# KiCad board schema_keyboard_game.kicad_pcb (continued)
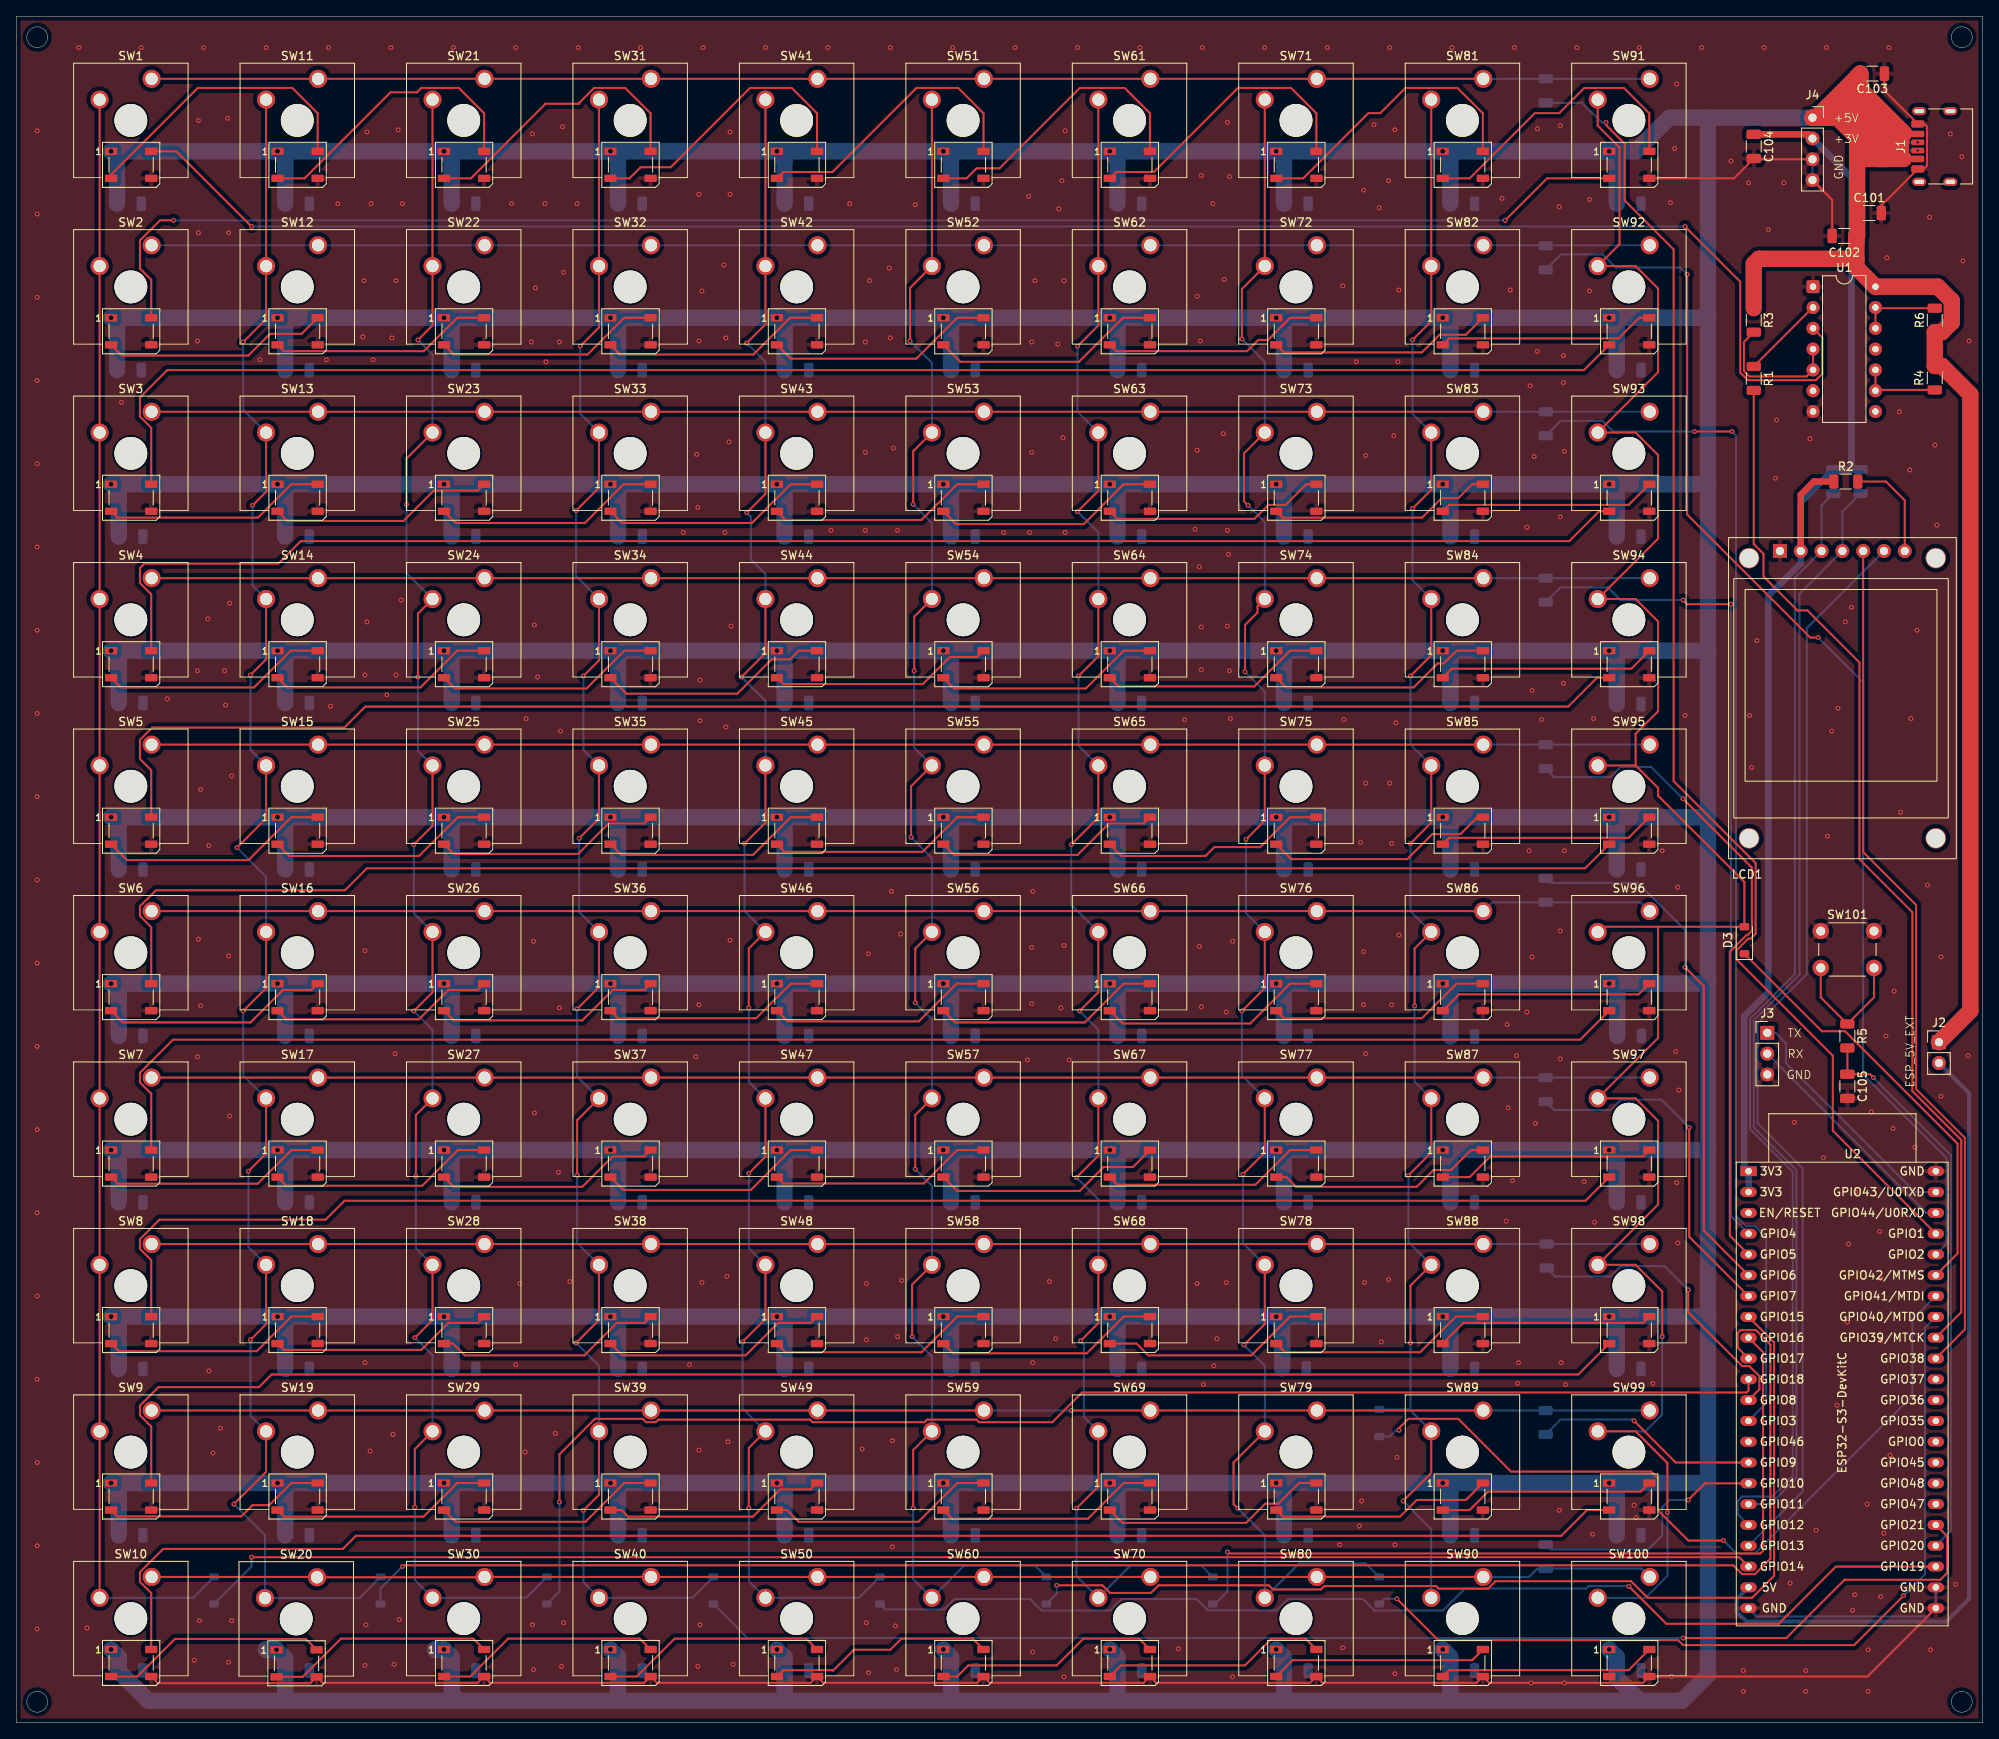
[diagram p0: board, top side]
## Routing (per net, layer and track width the routed paths; a pad name or vN(x,y) marks a point on that pad's centre or on a via; arc(x,y) is an arc through that point) (continued)
/rgb_in: length 10.2
  Top w0.25: R1.1 219.29,172.75 U1.2
/rgb_in_5V: length 228.4
  Top w0.25: v2(203.71,182.63) 210.44,175.89 210.44,164.8 211.37,163.88 219.67,163.88 220.45,164.66 220.45,169.08 U1.3 ; SW1.4 19.52,191.81 v2(28.7,182.63)
  Bottom w0.25: v2(28.7,182.63) v2(203.71,182.63)
/row_1: length 182.9
  Top w0.25: SW1.5 SW41.5 116.84,200.66 SW51.5 SW61.5 SW71.5 SW81.5
  Bottom w0.25: SW81.5 SW91.5
/row_2: length 182.9
  Bottom w0.25: SW2.5 SW12.5 SW22.5 SW32.5 SW42.5 SW52.5 SW62.5 SW72.5 SW82.5 SW92.5
/row_3: length 182.9
  Top w0.25: SW83.5 SW73.5 SW63.5 SW53.5 SW43.5 SW33.5 SW23.5 SW13.5 SW3.5
  Bottom w0.25: SW83.5 SW93.5
/row_4: length 182.9
  Top w0.25: SW84.5 SW74.5 SW64.5 SW54.5 SW44.5 SW34.5 SW24.5 SW14.5 SW4.5
  Bottom w0.25: SW84.5 R10.2 SW94.5
/row_5: length 182.9
  Top w0.25: SW5.5 SW15.5 SW25.5 SW35.5 SW45.5 SW55.5 SW65.5 SW75.5 SW85.5
  Bottom w0.25: SW95.5 R11.2 SW85.5
/row_6: length 183.8
  Top w0.25: SW86.5 SW76.5 SW66.5 SW56.5 SW46.5 SW36.5 SW26.5 SW16.5 SW6.5
  Bottom w0.25: SW96.5 198.31,100.14 R12.2 180.15,100.14 SW86.5
/row_7: length 182.9
  Top w0.25: SW87.5 SW77.5 SW67.5 SW57.5 SW47.5 SW37.5 SW27.5 SW17.5 SW7.5
  Bottom w0.25: SW97.5 R13.2 SW87.5
/row_8: length 182.9
  Top w0.25: SW8.5 SW18.5 SW28.5 SW38.5 SW48.5 SW58.5 SW68.5 SW88.5
  Bottom w0.25: SW88.5 R14.2 SW98.5
/row_9: length 182.9
  Top w0.25: SW59.5 SW49.5 SW39.5 SW29.5 SW19.5 SW9.5 ; SW89.5 SW79.5 SW69.5 v2(128.78,38.1)
  Bottom w0.25: SW99.5 R15.2 SW89.5 ; SW59.5 v2(128.78,38.1)
/row_10: length 183.8
  Top w0.25: SW90.5 SW80.5 SW70.5 SW60.5 SW50.5 SW40.5 SW30.5 57.11,17.74 SW20.5 36.66,17.78 SW10.5
  Bottom w0.25: SW90.5 184.66,17.78 185.67,18.8 R16.2 198.37,18.8 SW100.5
/sck: length 137.8
  Bottom w0.25: U2.18 210.13,25.46 210.13,27.05 210.67,27.59 214.34,27.59 216.85,30.1 216.85,67.25 211.64,72.46 211.64,85.91 217.11,91.38 217.11,139.76 220.37,143.02 220.37,148.59 R18.1
/sda: length 134.9
  Bottom w0.25: R17.1 222.91,147.82 LCD1.4 217.68,137.79 217.68,91.31 212.09,85.72 212.09,72.64 217.3,67.44 217.3,29.84 214.12,26.67 U2.17
/uart_rx: length 28.6
  Bottom w0.25: J3.2 233.17,62.23 U2.42
/uart_tx: length 30
  Bottom w0.25: J3.1 214.76,84.2 216.03,82.93 216.03,80.52 231.78,64.77 U2.43
Net-(D1-K): length 104.8
  Top w0.25: v2(230.38,15.49) 224.35,9.46 203.47,9.46 202.87,10.07 173.58,10.07 v2(168.53,15.11)
  Bottom w0.25: v2(168.53,15.11) 167,15.11 D1.1 ; v2(230.38,15.49) 232.99,18.11 232.99,48.21 U2.37
Net-(D2-K): length 96.5
  Top w0.25: v2(168.78,35.69) 168.78,35.94 169.93,37.08 176.02,37.08 182.46,30.65 199.55,30.65 200.42,29.78 200.42,25.9 204.09,22.22 v2(208.41,22.22)
  Bottom w0.25: v2(168.78,35.69) 168.4,35.69 167.64,34.93 D2.1 ; U2.38 231.45,49.21 231.45,39.88 212.24,20.66 209.97,20.66 v2(208.41,22.22)
Net-(D3-K): length 53.2
  Top w0.25: 224.32,83.31 236.97,70.66 236.97,57.27 U2.39 ; 224.62,83.02 223.24,84.4 220.41,84.4 D3.1
Net-(D4-K): length 126.9
  Top w0.25: v2(127,16.76) 132.57,16.76 133.5,15.83 138.5,15.83 139.43,16.76 152.89,16.76 153.4,16.26 159.24,16.26 159.65,16.66 173.31,16.66 173.62,16.36 179.66,16.36 180.57,17.26 197.11,17.26 199.13,15.24 211.89,15.24 214.57,17.93 214.57,46.41 U2.8
  Bottom w0.25: v2(127,16.76) 127,15.75 D4.1
Net-(D5-K): length 99.6
  Top w0.25: v2(147.83,20.83) 148.01,20.64 212.9,20.64 213.23,20.97 213.23,45.22 U2.9
  Bottom w0.25: D5.1 146.31,14.48 147.83,16 v2(147.83,20.83)
Net-(D6-K): length 190.8
  Top w0.25: U2.20 210.31,20.19 v2(28.7,20.19)
  Bottom w0.25: D6.1 28.7,19.05 v2(28.7,20.19)
Net-(D7-K): length 208.6
  Top w0.25: U2.10 210.13,45.78 210.13,47.57 210.48,47.91 212.34,47.91 214.12,46.14 214.12,20.02 212.23,18.13 210.67,18.13 209.59,19.21 47.27,19.21 v2(47.12,19.05)
  Bottom w0.25: v2(47.12,19.05) 44.45,16.38 D7.1
Net-(D8-K): length 169.5
  Top w0.25: v2(66.29,26.92) 66.29,32.75 70.63,37.08 76.47,37.08 76.88,36.68 78.06,36.68 78.37,36.99 96.89,36.99 97.2,36.68 110.86,36.68 111.17,36.99 117.21,36.99 117.52,36.68 126.47,36.68 130.09,40.3 211.2,40.3 211.46,40.55 U2.11
  Bottom w0.25: v2(66.29,26.92) 66.29,16 D8.1
Net-(D9-K): length 162.1
  Top w0.25: 235.65,18.22 234.86,17.44 223.18,17.44 216.06,10.33 v2(203.49,10.33) ; 235.71,18.29 235.71,22.73 U2.27
  Bottom w0.25: 203.58,10.41 v2(203.49,10.33) 89.24,10.33 D9.1
Net-(D10-K): length 138.6
  Top w0.25: v2(196.85,16.64) 201.42,12.06 215.14,12.06 222.12,19.05 U2.25
  Bottom w0.25: v2(196.85,16.64) 196.82,16.66 191.93,16.66 191.62,16.36 176.83,16.36 174.16,13.68 165.78,13.68 164.39,15.08 155.23,15.08 153.86,13.71 145.44,13.71 144.07,15.08 134.91,15.08 133.51,13.68 125.14,13.68 123.75,15.08 114.52,15.08 113.26,13.81 106.08,13.81 D10.1
Net-(J1-CC1): length 4.3
  Bottom w0.25: R20.2 228.93,191.9 v2(232.11,191.9)
Net-(J1-CC2): length 4.5
  Bottom w0.25: R19.2 229.43,192.9 v2(232.11,192.9)
Net-(LCD1-BLK): length 12.9
  Top w0.25: LCD1.7 230.53,149.2 228.23,151.5 R2.2
Net-(R3-Pad2): length 16.8
  Top w0.25: R3.2 210.89,168.53 210.89,164.99 211.55,164.33 218.53,164.33 U1.5 U1.4
Net-(R4-Pad2): length 9.8
  Top w0.25: R4.2 227.05,162.68 U1.9 U1.10
Net-(R5-Pad1): length 16.4
  Top w0.25: SW101.2 220.27,88.53 R5.1 226.77,88.53 SW101.2
Net-(R6-Pad2): length 9.8
  Top w0.25: U1.12 U1.13 227.04,172.66 R6.2
Net-(SW1-DOUT): length 36
  Top w0.25: SW1.2 11.56,188.96 22.15,199.55 33.68,199.55 36.78,196.45 SW11.4
Net-(SW10-DOUT): length 27.5
  Top w0.25: SW10.2 14.77,5.63 19.35,10.22 35.33,10.22 SW20.4
Net-(SW11-DOUT): length 35.7
  Top w0.25: SW21.4 57.1,196.45 54,199.55 49.43,199.55 48.89,199.01 45.67,199.01 35.17,188.51 SW11.2
Net-(SW12-DIN): length 27.7
  Top w0.25: SW2.2 12.87,166.88 28.32,166.88 30.97,169.53 34.82,169.53 SW12.4
Net-(SW12-DOUT): length 27.2
  Top w0.25: SW22.4 53.81,171.49 49.73,167.42 32.66,167.42 SW12.2
Net-(SW13-DIN): length 27.2
  Top w0.25: SW13.4 33.57,151.17 29.5,147.09 12.34,147.09 SW3.2
Net-(SW13-DOUT): length 27.6
  Top w0.25: SW13.2 33.06,146.69 47.24,146.69 50.95,150.4 56.33,150.4 SW23.4
Net-(SW14-DIN): length 27.6
  Top w0.25: SW4.2 12.75,126.37 29,126.37 33.49,130.85 SW14.4
Net-(SW14-DOUT): length 27.6
  Top w0.25: SW24.4 53.81,130.85 49.32,126.37 33.06,126.37 SW14.2
Net-(SW15-DIN): length 28.2
  Top w0.25: SW15.4 33.57,110.53 28.32,105.28 13.51,105.28 SW5.2
Net-(SW15-DOUT): length 27.8
  Top w0.25: SW25.4 53.89,110.53 49.15,105.79 33.32,105.79 SW15.2
Net-(SW16-DIN): length 27.8
  Top w0.25: SW6.2 13,85.47 28.58,85.47 32.54,89.44 36,89.44 SW16.4
Net-(SW16-DOUT): length 27.5
  Top w0.25: SW26.4 56.33,89.44 52.73,89.44 49.15,85.85 32.94,85.85 SW16.2
Net-(SW17-DIN): length 27.3
  Top w0.25: SW17.4 33.57,69.89 29.47,65.79 12.36,65.79 SW7.2
Net-(SW17-DOUT): length 27.5
  Top w0.25: SW17.2 32.94,65.53 49.53,65.53 53.89,69.89 SW27.4
Net-(SW18-DIN): length 27.4
  Top w0.25: SW8.2 12.49,45.34 29.34,45.34 33.57,49.57 SW18.4
Net-(SW18-DOUT): length 27.2
  Top w0.25: SW18.2 32.66,45.5 49.43,45.5 52.73,48.8 56.33,48.8 SW28.4
Net-(SW19-DIN): length 27.2
  Top w0.25: SW19.4 33.57,29.25 30.86,26.54 28.83,26.54 27.46,25.18 12.34,25.18 SW9.2
Net-(SW19-DOUT): length 27.3
  Top w0.25: SW29.4 53.81,29.25 49.71,25.15 32.68,25.15 SW19.2
Net-(SW20-DOUT): length 27.8
  Top w0.25: SW30.4 55.78,10.25 39.62,10.25 34.96,5.59 SW20.2
Net-(SW21-DOUT): length 35.8
  Top w0.25: SW31.4 77.42,196.45 74.32,199.55 70.53,199.55 68.71,197.72 68.71,197.61 64.59,197.61 55.49,188.51 SW21.2
Net-(SW22-DOUT): length 27.6
  Top w0.25: SW32.4 74.21,171.49 69.72,167 53.39,167 SW22.2
Net-(SW23-DOUT): length 27.8
  Top w0.25: SW23.2 53.64,146.43 69.39,146.43 74.13,151.17 SW33.4
Net-(SW24-DOUT): length 27.7
  Top w0.25: SW34.4 74.21,130.85 69.6,126.24 53.51,126.24 SW24.2
Net-(SW25-DOUT): length 27.6
  Top w0.25: SW35.4 76.64,109.76 72.29,109.76 68.58,106.05 53.39,106.05 SW25.2
Net-(SW26-DOUT): length 27.6
  Top w0.25: SW36.4 76.64,89.44 72.8,89.44 69.09,85.72 53.39,85.72 SW26.2
Net-(SW27-DOUT): length 27.6
  Top w0.25: SW27.2 53.39,65.41 69.09,65.41 72.8,69.12 76.64,69.12 SW37.4
Net-(SW28-DOUT): length 27.8
  Top w0.25: SW28.2 53.3,46.27 54.74,44.83 69.34,44.83 73.31,48.8 76.64,48.8 SW38.4
Net-(SW29-DOUT): length 27.8
  Top w0.25: SW39.4 74.21,29.25 69.47,24.51 53.64,24.51 SW29.2
Net-(SW30-DOUT): length 27.7
  Top w0.25: SW30.2 55.41,5.63 60.03,10.25 76.1,10.25 SW40.4
Net-(SW31-DOUT): length 35.7
  Top w0.25: SW41.4 97.74,196.45 94.64,199.54 89.56,199.54 79.88,189.87 76.2,189.87 74.85,188.51 SW31.2
Net-(SW32-DOUT): length 27.6
  Top w0.25: SW42.4 94.45,171.49 89.96,167 73.7,167 SW32.2
Net-(SW33-DOUT): length 27.8
  Top w0.25: SW43.4 94.53,151.17 89.79,146.43 73.96,146.43 SW33.2
Net-(SW34-DOUT): length 28.2
  Top w0.25: SW44.4 95.5,130.85 94.45,129.79 92.2,129.79 88.01,125.6 74.47,125.6 SW34.2
Net-(SW35-DOUT): length 27.7
  Top w0.25: SW45.4 94.53,110.53 89.92,105.92 73.83,105.92 SW35.2
Net-(SW36-DOUT): length 27.4
  Top w0.25: SW36.2 73.45,85.98 90.3,85.98 94.53,90.21 SW46.4
Net-(SW37-DOUT): length 27.9
  Top w0.25: SW47.4 94.53,69.89 89.66,65.02 74.09,65.02 SW37.2
Net-(SW38-DOUT): length 27.8
  Top w0.25: SW48.4 96.96,48.8 92.99,48.8 89.03,44.83 73.96,44.83 SW38.2
Net-(SW39-DOUT): length 27.3
  Top w0.25: SW39.2 73.87,25.95 74.68,25.15 89.92,25.15 93.24,28.47 96.96,28.47 SW49.4
Net-(SW40-DOUT): length 27.7
  Top w0.25: SW40.2 75.73,5.63 80.35,10.25 96.42,10.25 SW50.4
Net-(SW41-DOUT): length 35.7
  Top w0.25: SW41.2 93.61,189.28 99.62,189.28 109.88,199.55 114.96,199.55 118.06,196.45 SW51.4
Net-(SW42-DOUT): length 28
  Top w0.25: SW42.2 94.53,166.5 109.86,166.5 114.85,171.49 SW52.4
Net-(SW43-DOUT): length 27.5
  Top w0.25: SW53.4 114.85,151.17 110.49,146.81 93.9,146.81 SW43.2
Net-(SW44-DOUT): length 27.2
  Top w0.25: SW44.2 93.61,126.78 110.65,126.78 113.95,130.07 117.29,130.07 SW54.4
Net-(SW45-DOUT): length 27.4
  Top w0.25: SW55.4 114.85,110.53 110.62,106.3 93.77,106.3 SW45.2
Net-(SW46-DOUT): length 27.7
  Top w0.25: SW56.4 114.77,90.21 110.16,85.6 94.15,85.6 SW46.2
Net-(SW47-DOUT): length 27.2
  Top w0.25: SW57.4 114.85,69.89 110.78,65.81 93.61,65.81 SW47.2
Net-(SW48-DOUT): length 27.5
  Top w0.25: SW48.2 93.9,45.21 110.49,45.21 114.85,49.57 SW58.4
Net-(SW49-DOUT): length 27.8
  Top w0.25: SW59.4 114.85,29.25 110.11,24.51 95.5,24.51 94.07,25.95 SW49.2
Net-(SW50-DOUT): length 27.7
  Top w0.25: SW60.4 116.73,10.25 108.05,10.25 106.68,8.89 102.23,8.89 99.7,6.35 99.64,6.41 93.61,6.41 SW50.2
Net-(SW51-DOUT): length 35.7
  Top w0.25: SW51.2 115.99,188.51 117.22,189.74 120.02,189.74 129.82,199.55 135.28,199.55 138.38,196.45 SW61.4
Net-(SW52-DOUT): length 28.3
  Top w0.25: SW52.2 115.23,166.12 129.72,166.12 135.09,171.49 SW62.4
Net-(SW53-DOUT): length 27.9
  Top w0.25: SW53.2 114.73,146.3 130.3,146.3 135.17,151.17 SW63.4
Net-(SW54-DOUT): length 27.7
  Top w0.25: SW54.2 114.47,126.24 130.56,126.24 135.17,130.85 SW64.4
Net-(SW55-DOUT): length 27.7
  Top w0.25: SW65.4 137.61,109.76 133.38,109.76 129.54,105.92 114.47,105.92 SW55.2
Net-(SW56-DOUT): length 27.8
  Top w0.25: SW66.4 135.17,90.21 130.43,85.47 114.6,85.47 SW56.2
Net-(SW57-DOUT): length 28
  Top w0.25: SW67.4 136.31,67.81 132.71,67.81 129.79,64.9 114.85,64.9 SW57.2
Net-(SW58-DOUT): length 27.6
  Top w0.25: SW68.4 135.17,49.57 130.69,45.09 114.35,45.09 SW58.2
Net-(SW59-DOUT): length 27.5
  Top w0.25: SW69.4 135.17,29.25 130.81,24.89 114.22,24.89 SW59.2
Net-(SW60-DOUT): length 27.7
  Top w0.25: SW70.4 137.06,10.25 130.27,10.25 127,6.99 116.2,6.99 114.85,5.63 SW60.2
Net-(SW61-DOUT): length 35.7
  Top w0.25: SW61.2 134.25,189.28 138.87,189.28 149.13,199.55 155.6,199.55 158.7,196.45 SW71.4
Net-(SW62-DOUT): length 27.2
  Top w0.25: SW62.2 134.25,167.42 150.24,167.42 151.61,168.78 152.78,168.78 155.49,171.49 SW72.4
Net-(SW63-DOUT): length 27.4
  Top w0.25: SW63.2 134.41,146.94 151.13,146.94 152.84,148.65 154.94,148.65 157.46,151.17 SW73.4
Net-(SW64-DOUT): length 27.5
  Top w0.25: SW64.2 134.54,126.49 151.13,126.49 155.49,130.85 SW74.4
Net-(SW65-DOUT): length 27.8
  Top w0.25: SW75.4 155.49,110.53 151.83,106.87 146.24,106.87 145.16,105.79 134.92,105.79 SW65.2
Net-(SW66-DOUT): length 27.9
  Top w0.25: SW66.2 135.05,85.34 150.62,85.34 155.49,90.21 SW76.4
Net-(SW67-DOUT): length 27.4
  Top w0.25: SW67.2 134.41,65.66 151.26,65.66 155.49,69.89 SW77.4
Net-(SW68-DOUT): length 27.8
  Top w0.25: SW78.4 155.49,49.57 150.75,44.83 138.18,44.83 136.74,46.27 SW68.2
Net-(SW69-DOUT): length 27.9
  Top w0.25: SW79.4 156.58,29.25 154.05,26.72 152.45,26.72 150.11,24.38 135.05,24.38 SW69.2
Net-(SW70-DOUT): length 27.7
  Top w0.25: SW80.4 157.38,10.25 153.25,10.25 149.98,6.99 134.83,6.99 SW70.2
Net-(SW71-DOUT): length 35.7
  Top w0.25: SW71.2 157.09,188.51 165.05,196.47 166.5,196.47 169.57,199.55 175.92,199.55 179.02,196.45 SW81.4
Net-(SW72-DOUT): length 27.4
  Top w0.25: SW72.2 154.73,167.26 171.58,167.26 173.73,169.42 176.94,169.42 SW82.4
Net-(SW73-DOUT): length 27.2
  Top w0.25: SW83.4 177.71,151.17 176.02,149.48 173.99,149.48 171.61,147.09 154.57,147.09 SW73.2
Net-(SW74-DOUT): length 27.6
  Top w0.25: SW84.4 175.81,130.85 174.25,129.28 173.48,129.28 170.56,126.37 154.99,126.37 SW74.2
Net-(SW75-DOUT): length 28.1
  Top w0.25: SW75.2 155.62,105.41 169.8,105.41 172.85,108.46 176.28,108.46 178.35,110.53 SW85.4
Net-(SW76-DOUT): length 27.4
  Top w0.25: SW76.2 154.73,85.98 171.58,85.98 175.81,90.21 SW86.4
Net-(SW77-DOUT): length 27.6
  Top w0.25: SW87.4 177.56,69.89 175.13,67.46 173,67.46 170.94,65.41 156.21,65.41 155.02,66.59 SW77.2
Net-(SW78-DOUT): length 27.5
  Top w0.25: SW88.4 175.73,49.57 171.37,45.21 154.86,45.21 SW78.2
Net-(SW79-DOUT): length 27.3
  Top w0.25: SW79.2 154.6,25.15 168.91,25.15 170.94,27.18 176.95,27.18 SW89.4
Net-(SW80-DOUT): length 26.6
  Top w0.25: SW80.2 155.79,7.62 177.71,7.62 SW90.4
Net-(SW81-DOUT): length 35.7
  Top w0.25: SW81.2 177.41,188.51 185.37,196.47 188.34,196.47 191.42,199.55 196.24,199.55 199.34,196.45 SW91.4
Net-(SW82-DOUT): length 26.6
  Top w0.25: SW92.4 198.11,171.49 195.58,168.97 174.89,168.97 SW82.2
Net-(SW83-DOUT): length 26.6
  Top w0.25: SW93.4 196.81,148.65 174.89,148.65 SW83.2
Net-(SW84-DOUT): length 26.6
  Top w0.25: SW94.4 197.14,128.65 175.22,128.65 SW84.2
Net-(SW85-DOUT): length 26.6
  Top w0.25: SW85.2 174.89,108.01 196.81,108.01 SW95.4
Net-(SW86-DOUT): length 26.6
  Top w0.25: SW86.2 176.11,88.9 198.03,88.9 SW96.4
Net-(SW87-DOUT): length 26.6
  Top w0.25: SW97.4 198.56,69.12 179.94,69.12 177.41,66.59 SW87.2
Net-(SW88-DOUT): length 26.6
  Top w0.25: SW98.4 198.56,48.8 176.64,48.8 SW88.2
Net-(SW89-DOUT): length 26.6
  Top w0.25: SW89.2 177.41,25.95 179.65,28.19 198.28,28.19 SW99.4
Net-(SW100-DIN): length 26.6
  Top w0.25: SW100.4 196.81,6.41 174.89,6.41 SW90.2
Net-(U2-GPIO1/ADC1_CH0): length 162.8
  Top w0.25: v2(194.06,195.33) 194.06,195.02 196.34,192.73 196.34,185.8 202.31,179.83 202.31,114.93 212.32,104.92 212.32,96.3 211.71,95.69 211.4,95.69 210.02,94.31 210.02,93.13 221.74,81.41 221.74,72.26 U2.41
  Bottom w0.25: v2(194.06,195.33) 193.55,195.33 191.14,197.74 R7.1
Net-(U2-GPIO2/ADC1_CH1): length 152.9
  Top w0.25: v2(203.96,176.78) 203.96,147.48 218.98,132.46 v2(219.96,132.46)
  Bottom w0.25: U2.40 235.64,58.47 235.64,68.91 225.44,79.11 225.44,126.98 v2(219.96,132.46) ; R8.1 188.56,179.22 193.63,179.22 195.22,177.63 203.11,177.63 v2(203.96,176.78)
Net-(U2-GPIO3/ADC1_CH2): length 148.1
  Top w0.25: v2(209.42,157.61) v2(204.85,157.61)
  Bottom w0.25: U2.13 213.61,38.99 213.61,59.24 212.24,60.62 211.17,60.62 209.92,61.86 209.92,157.11 v2(209.42,157.61) ; R9.1 188.5,158.91 193.63,158.91 194.93,157.61 v2(204.85,157.61)
Net-(U2-GPIO4/ADC1_CH3): length 101.9
  Top w0.25: v2(209.3,136.53) 203.96,136.53 v2(203.45,137.03)
  Bottom w0.25: v2(203.45,137.03) 195.83,137.03 194.28,138.59 188.5,138.59 R10.1 ; U2.4 209.3,61.85 v2(209.3,136.53)
Net-(U2-GPIO5/ADC1_CH4): length 80.6
  Top w0.25: v2(203.45,112.78) 211.87,104.36 211.87,96.68 211.33,96.14 211.21,96.14 209.17,94.1 209.17,59.44 U2.5
  Bottom w0.25: R11.1 187.73,115.42 194.61,115.42 195.87,116.68 199.56,116.68 v2(203.45,112.78)
Net-(U2-GPIO6/ADC1_CH5): length 65
  Top w0.25: U2.6 205.99,60.07 205.99,89.92 v2(203.71,92.2)
  Bottom w0.25: v2(203.71,92.2) 203.71,96.76 197.97,102.5 187.25,102.5 R12.1
Net-(U2-GPIO7/ADC1_CH6): length 43.5
  Top w0.25: U2.7 204.22,59.31 v2(204.22,72.64)
  Bottom w0.25: R13.1 187.73,74.78 194.61,74.78 195.87,76.03 200.82,76.03 v2(204.22,72.64)
Net-(U2-GPIO8/ADC1_CH7): length 37.5
  Top w0.25: v2(204.09,52.83) 204.09,50.11 210.67,43.53 211.55,43.53 212.78,42.29 212.78,40.69 U2.12
  Bottom w0.25: R14.1 187.86,54.46 194.61,54.46 195.87,55.72 201.21,55.72 v2(204.09,52.83)
Net-(U2-GPIO9/ADC1_CH8): length 27.7
  Top w0.25: v2(197.49,36.83) 202.56,31.75 U2.15
  Bottom w0.25: R15.1 188.5,36.99 197.33,36.99 v2(197.49,36.83)
Net-(U2-GPIO10/ADC1_CH9): length 30.3
  Top w0.25: U2.16 206.12,29.21 v2(204.09,27.18)
  Bottom w0.25: v2(204.09,27.18) 201.8,27.18 200.92,26.3 200.92,22.86 199.22,21.16 187.25,21.16 R16.1
Net-(U2-GPIO39/MTCK): length 128.1
  Top w0.25: U2.36 237.42,50.1 237.42,71.12 231.45,77.09 231.45,98.93 225,105.39 225,129.41 218.65,135.76 217.42,135.76 213.28,139.9 213.28,142.67 212.09,143.87 R1.2

## Copper pours and planes (outline as drawn; the poured copper is in the pictures)
+5V on Top (solid shape): 220.85,195.07 221.36,198.5 224.41,199.52 231.01,193.42 230.76,190.25 225.3,195.58
GND on Top, Bottom: 0,208.28 240.03,208.28 240.03,0 0,0

## Text on the board
F.Silkscreen: GND | TX | RX | +5V | +3V | ESP_5V_EXT
